# Altium PCB PCB1.PcbDoc (part 2 of 2)
Units mm, origin at the board's own origin, x right, y up, seen from the top; angles counter-clockwise.
Board outline 89.92 x 45.09 mm, 2 copper layers (Top Layer, Bottom Layer); 379 components, 267 nets, 1270 pads, 0 vias.
Unrouted connection lines stored in the file: 889.
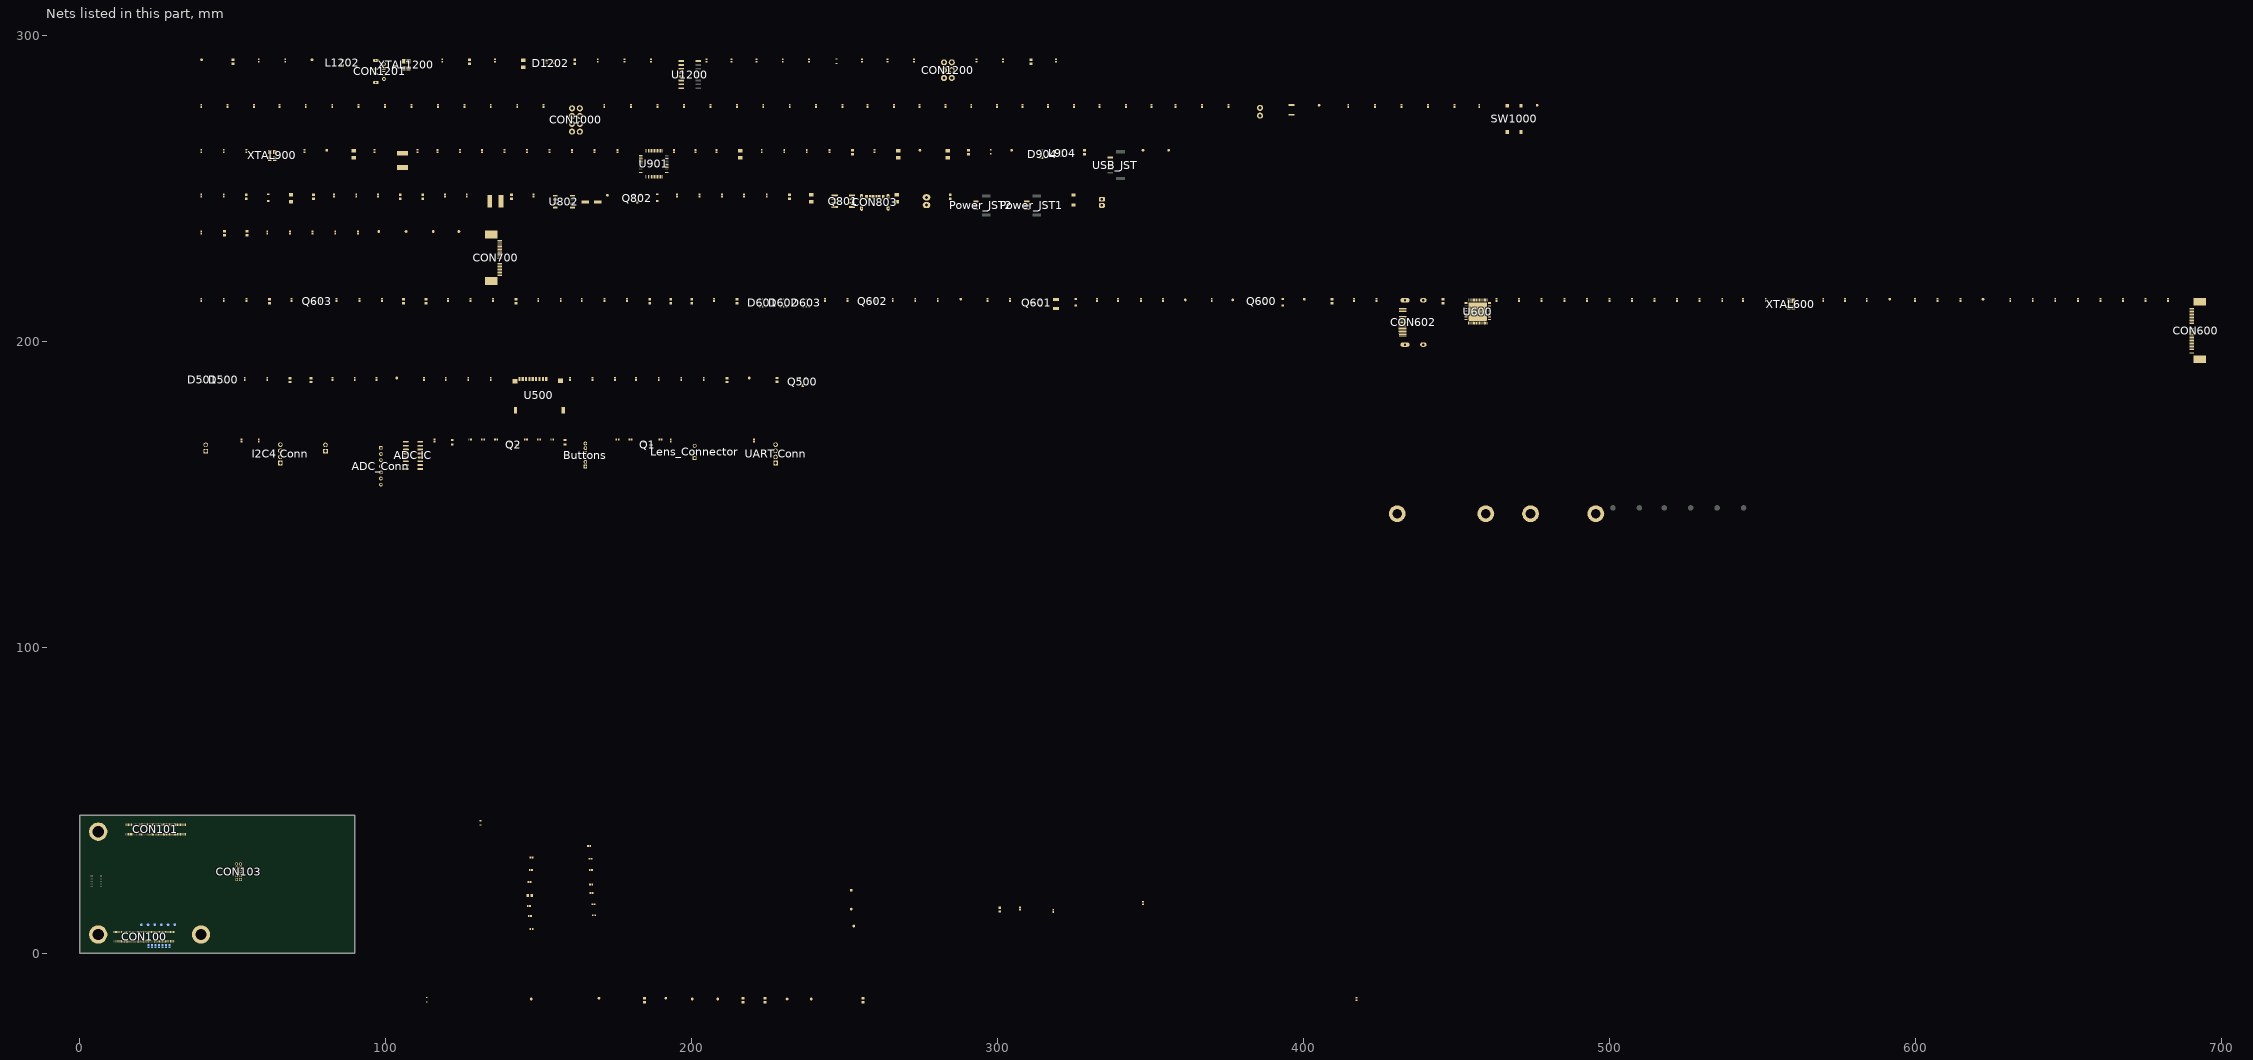
[diagram p2: the nets of this part, all layers, seen from the top]

## Footprints (in the part's own frame and the unit in brackets; to place one, negate y for a bottom-side part, rotate by r counter-clockwise, add the part's x,y. Pads: shape width x height; smd on the part's side, far side on the other; paste and mask are expansions set on the pad) (continued)
IC-NCP3170ADR2G [mm]
  rect 1.52x0.6 smd paste+0 mask+0.05: 1(-2.294,1.651) 2(-2.294,0.381) 3(-2.294,-0.889) 4(-2.294,-2.159) 5(3.31,-2.159) 6(3.31,-0.889) 7(3.31,0.381) 8(3.31,1.651)
  silkscreen extent -1.57,-2.83 2.59,2.32, body extent -2.46,-2.7 3.73,2.2, height 1.76
IND-NRS5030T2R2NMGJ [mil]
  rect 59x157 smd paste+0 mask+1.97: 1(-70.87,-5) 2(70.87,-5)
  silkscreen extent -63,-106 63,96, body extent -96,-101 96,91, height 157
J1-0603 [mm] "Chip Resistor, Body 1.6x0.8mm, IPC High Density"
  rect 0.7x0.9 smd: 1(-0.75,0) 2(0.75,0)
  silkscreen extent -0.2,-0.35 0.2,0.35, body extent -0.85,-0.48 0.85,0.48, height 0.9
JST-B2B-PH-K-S_V [mm] "Connector, 2-Leads, Body 5.9x4.5mm, Pitch 2mm"
  rect 1.5x1.5 hole 1: 1(-1,0.55)
  round 1.5 hole 1: 2(1,0.55)
  silkscreen extent -2.95,-2.25 2.95,2.25, body extent -2.95,-2.25 2.95,2.25, height 6
JST-B3B-PH-K-S-3_V [mm] "Connector, 3-Leads, Body 7.9x4.5mm, Pitch 2mm"
  rect 1.3x1.3 hole 0.8: 1(-2,0.55)
  round 1.3 hole 0.8: 2(0,0.55) 3(2,0.55)
  silkscreen extent -3.95,-2.25 3.95,3.4, body extent -3.95,-2.25 3.95,2.25, height 6
JST-B4B-PH-K-S_V [mm] "Connector, 4-Leads, Body 9.9x4.5mm, Pitch 2mm"
  rect 1.5x1.5 hole 1: 1(-3,0.55)
  round 1.5 hole 1: 2(-1,0.55) 3(1,0.55) 4(3,0.55)
  silkscreen extent -4.95,-2.25 4.95,2.25, body extent -4.95,-2.25 4.95,2.25, height 6
KLS1-238-0-0-0-R [mm] "MICRO USB TYPE B"
  rect 0.4x1.25 smd: 1(-1.15,0.025) 2(-1.8,0.025) 3(-2.45,0.025) 4(-3.1,0.025) 5(-3.75,0.025)
  round 1.25 hole 0.7: G1(0,0) G2(-4.9,0)
  rect 0.6x1.35 smd: G3(-1.65,2.675) G4(-3.25,2.675)
  oval 1.1x1.9 hole 0.5 slot 1.3 at 90 deg: G5(1.15,2.65) G6(-6.05,2.65)
  silkscreen extent -6.62,-0.93 1.72,4.4, body extent -6.8,-0.29 1.85,5.6, height 2.84
L-KLS1-TF-003-H1.85-R [mm]
  rect 1.6x1.4 smd mask+0.051: 0(-11.05,9.9) 0(3.8,10)
  rect 1x2.2 smd mask+0.051: 0(-10.8,0.4)
  round 0 hole 0.9: 0(-8,0) 0(0,0)
  rect 1.2x2.2 smd mask+0.051: 0(4.7,0.4)
  rect 0.7x1.4 smd mask+0.051: 1(-0.799,10.6) 2(-1.899,10.6) 3(-2.999,10.6) 4(-4.099,10.6) 5(-5.199,10.6) 6(-6.299,10.6) 7(-7.399,10.6) 8(-8.499,10.6) 9(-9.599,10.6)
  silkscreen extent -11.13,-4.6 5.03,9, body extent -11.05,-4.02 4.95,11.23, height 1.95
LQFP48 [mm]
  rect 0.3x1.2 smd mask+0.051: 1(-2.75,-4.25) 2(-2.25,-4.25) 3(-1.75,-4.25) 4(-1.25,-4.25) 5(-0.75,-4.25) 6(-0.25,-4.25) 7(0.25,-4.25) 8(0.75,-4.25) 9(1.25,-4.25) 10(1.75,-4.25) 11(2.25,-4.25) 12(2.75,-4.25) 25(2.75,4.25) 26(2.25,4.25) 27(1.75,4.25) 28(1.25,4.25) 29(0.75,4.25) 30(0.25,4.25) 31(-0.25,4.25) 32(-0.75,4.25) 33(-1.25,4.25) 34(-1.75,4.25) 35(-2.25,4.25) 36(-2.75,4.25)
  rect 1.2x0.3 smd mask+0.051: 13(4.25,-2.75) 14(4.25,-2.25) 15(4.25,-1.75) 16(4.25,-1.25) 17(4.25,-0.75) 18(4.25,-0.25) 19(4.25,0.25) 20(4.25,0.75) 21(4.25,1.25) 22(4.25,1.75) 23(4.25,2.25) 24(4.25,2.75) 37(-4.25,2.75) 38(-4.25,2.25) 39(-4.25,1.75) 40(-4.25,1.25) 41(-4.25,0.75) 42(-4.25,0.25) 43(-4.25,-0.25) 44(-4.25,-0.75) 45(-4.25,-1.25) 46(-4.25,-1.75) 47(-4.25,-2.25) 48(-4.25,-2.75)
  silkscreen extent -3.65,-4.36 3.65,3.65, body extent -4.5,-4.5 4.5,4.5
M3 [mm]
  round 5.5 hole 3.2 mask+0.051: 0(0,0)
  silkscreen extent -3,-3 3,3
SC-85-3/SOT-323FL [mm]
  rect 0.52x0.83 smd mask+0.051: 1(-0.66,-0.711) 2(0.635,-0.711) 3(0,0.762)
  silkscreen extent -1.07,-1.03 1.07,0.72, body extent -1.11,-1.1 1.09,1.15, height 1.1
"SO-8 - DUAL MOS - NAMED" [mil] "body:5.3 X 7.6 mm( W x L) pitch:1.27 mm"
  rect 80x24 smd: D1(110,25) D1(110,75) D2(110,-25) D2(110,-75) G1(-110,25) G2(-110,-75) S1(-110,75) S2(-110,-25)
  silkscreen extent -50,-100 50,100, body extent -118,-96 118,96, height 63
SOD523 [mm] "SOD-523F; 2 Leads; Body 1.3 x 0.9 mm, (LxW)"
  rect 0.4x0.6 smd mask+0.025: 1(0.7,0) 2(-0.7,0)
  silkscreen extent -0.82,-0.51 0.79,0.51, body extent -0.85,-0.45 0.85,0.45, height 0.7
"SOD523 - SZESD" [mm]
  rect 0.48x0.4 smd mask+0.051: 1(0.66,0) 2(-0.66,0)
  silkscreen extent -0.6,-0.4 0.6,0.4, body extent -0.85,-0.46 0.85,0.44, height 0.7
SOD-123 [mm]
  rect 0.91x1.22 smd mask+0.1: A(1.625,0) K(-1.625,0)
  silkscreen extent -1.42,-0.86 0.87,0.86, body extent -1.93,-0.84 1.92,0.86, height 1.42
SOD-323 [mm]
  rect 0.63x0.83 smd mask+0.051: A(1.115,0) K(-1.115,0)
  silkscreen extent -0.85,-0.63 0.85,0.63, body extent -1.3,-0.69 1.3,0.66, height 1.1
SOIC-SL16_L [mm] "SOIC, 16-Leads, Body 9.9x3.9mm, Pitch 1.27mm, IPC High Density"
  oval 1.9x0.6 smd: 1(-2.35,4.445) 2(-2.35,3.175) 3(-2.35,1.905) 4(-2.35,0.635) 5(-2.35,-0.635) 6(-2.35,-1.905) 7(-2.35,-3.175) 8(-2.35,-4.445) 9(2.35,-4.445) 10(2.35,-3.175) 11(2.35,-1.905) 12(2.35,-0.635) 13(2.35,0.635) 14(2.35,1.905) 15(2.35,3.175) 16(2.35,4.445)
  silkscreen extent -2.47,-5 1,5.42, body extent -2,-5 2,5, height 1.75
SOT23 [mm] "SOT-23; 3 Leads; Body 3.0 x 2.5 mm, inc. leads (LxW max)"
  rect 1x0.8 smd mask+0.051: 1(1.15,-0.95) 2(1.15,0.95) 3(-1.15,0)
  silkscreen extent -0.7,-1.5 0.4,1.5, body extent -1.23,-1.5 1.27,1.5, height 1.05
SOT-23B_N [mm] "SOT23, 3-Leads, Body 2.9x1.3mm, Pitch 0.95mm, Lead Span 2.4mm, IPC Medium Density"
  rect 1.15x0.6 smd: 1(-1.125,0.95) 2(-1.125,-0.95) 3(1.125,0)
  silkscreen extent -1.25,-1.5 0.7,1.92, body extent -0.7,-1.5 0.7,1.5, height 1.14
SOT-363 [mm]
  rect 0.4x0.8 smd mask+0.051: 1(-0.65,-0.837) 2(0,-0.837) 3(0.65,-0.837) 4(0.65,0.838) 5(0,0.838) 6(-0.65,0.838)
  silkscreen extent -1,-0.18 1,0.2, body extent -1,-1.05 1,1.05, height 1
testpoint_15 [mil]
  round 35 smd paste-39.37 mask+0: 1(0,0)
testpoint_35mil [mil]
  round 35 smd: 1(0,0)
  silkscreen extent -25,-25 25,25
UWR1A101MCL1GB [mm] "0.209\"\" L x 0.209\"\" W (5.30mm x 5.30mm) cap"
  rect 2.411x1.113 smd paste+0 mask+0: 1(-2.168,0) 2(1.914,0)
  silkscreen extent -4.21,-2.78 2.65,2.78, body extent -3.07,-2.65 2.82,2.65, height 5.57
XTLOSC4_3P2X2P5MM_SM [mm]
  rect 1.4x1.15 smd mask+0.051: 1(-1.1,-0.8) 2(1.1,-0.8) 3(1.1,0.8) 4(-1.1,0.8)
  silkscreen extent -2.59,-1.6 2.02,1.6, body extent -1.6,-1.25 1.6,1.25, height 0.6

## Part data
"ADC IC": library part CMP-0188-00427-2, "2.7V 4-Channel/8-Channel 12-Bit A/D Converters with SPI Serial Interface, 16-Pin SOIC 150mil, B Performance Grade, Industrial Temperature", Code_IPC=SOIC127P600-16, Code_JEDEC=MS-012-AC, ComponentLink1Description="Manufacturer URL", ComponentLink1URL=http://www.microchip.com/, ComponentLink2Description=Datasheet, ComponentLink2URL=http://ww1.microchip.com/downloads/en/DeviceDoc/21298e.pdf, ComponentLink3Description="Package Specification", ComponentLink3URL=http://www.microchip.com/stellent/groups/techpub_sg/documents/packagingspec/en012702.pdf, DatasheetVersion="revE, Sep-2008", PackageDescription="16-Lead Plastic Small Outline (SL) - Narrow, 3.90mm Body [SOIC]", PackageReference=SOIC-SL16, PackageVersion="revBB, Aug-2009", RevisionNote="URLs added."
ADC_Conn: library part CMP-17439-000222-1, "CONN HEADER R/A 7POS 2MM", Color=Natural, Contact Resistance=20mR, Current Rating=2A, Flammability Rating="UL94 V-0", Housing Color=White, Insulation Resistance=1GR, Max Operating Temperature=85°C, Max Voltage Rating (AC)=100V, Min Operating Temperature=-25°C, Connector Type=Header, Contact Finish - Mating=TIN, Contact Material=Brass, Contact Mating Length=0.13inch, Contact Plating=Tin, Contact Shape=Square, Contact Type="Male Pin", Depth=7.6mm, Fastening Type=Detent, Gender=Male, Height=9.4mm, Housing Material=Polyamide, Insulation Color=Natural, Insulation Material=Nylon, Lead Free="Lead Free", Lead Pitch=2mm, Length=15.9mm, Max Current Rating=2A, Mount="Through Hole", Number of Contacts=7, Number of Pins=7, Number of Poles=7, Number of Positions=7, Number of Rows=1, Orientation="Right Angle", Packaging=Bulk, Pitch=2mm, REACH SVHC="No SVHC", Series=PH, Termination=Solder, Voltage Rating=100V, Voltage Rating (AC)=100V, Width=4.5mm, Working Voltage=100V
Buttons: library part CMP-17439-000122-1, "CONN HEADER R/A 6POS 1.5MM", Color=White, Contact Resistance=30mR, Current Rating=1A, Flammability Rating="UL94 V-0", Housing Color=Beige, Insulation Color=Natural, Insulation Resistance=500MR, Max Operating Temperature=85°C, Max Voltage Rating (AC)=50V, Min Operating Temperature=-25°C, Body Plating=Tin, Connector Type=Header, Contact Finish - Mating=TIN, Contact Material=Brass, Contact Mating Length=0.094inch, Contact Plating=Tin, Contact Shape=Circular, Contact Type="Male Pin", Depth=6mm, Fastening Type=Detent, Gender=Male, Height=7.2mm, Housing Material=Polyamide, Insulation Material=Nylon, Lead Free="Lead Free", Lead Pitch=1.5mm, Length=10.5mm, Material=Nylon, Max Current Rating=1A, Mount="Through Hole", Number of Contacts=6, Number of Pins=6, Number of Positions=6, Number of Rows=1, Orientation="Right Angle", Packaging=Bulk, Panel Thickness=3.5mm, Pitch=1.5mm, REACH SVHC="No SVHC", Series=ZH, Termination=Solder, Voltage Rating=50V, Voltage Rating (AC)=50V, Voltage Rating (DC)=50V, Width=3.5mm
C100 C500 C502 C1204: library part CAP-CL10B105KA8NNNC, "CAP CER 1UF 25V X7R 0603", Manufacturer Part Number-1=CL10B105KA8NNNC, Manufacturer-1=SAMSUNG, Class=Capacitor, Created By=LA
C102 C104 C105 C801 C804 C806: library part CAP-C1608X5R1A226M080AC, "±20% 10V Ceramic Capacitor X5R 0603 (1608 Metric)", Manufacturer Part Number-1=C1608X5R1A226M080AC, Manufacturer-1="Murata Electronics", Class=Capacitor, Created By=E.E, Created Date=2.11.2020
C501 C621 C622 C624 C628 C636 C702: library part CAP-JMK107BC6106MA-T, "CAP CER 10UF 6.3V X6S 0603", Manufacturer Part Number-1=JMK107BC6106MA-T, Manufacturer-1="TAIYO YUDEN", Opt. Temp.=-55/+105, Class=Capacitor, Created By=LA, Created Date=23.11.2018, Price Break=4K, Unit Price=0,044
C506: library part CAP-C0402C220K5GACTU, "CAP CER 22PF 50V C0G/NPO 0402", Manufacturer Part Number-1=C0402C220K5GACTU, Manufacturer-1=KEMET, Opt. Temp.=-55/+125, Class=Capacitor, Created By=LA, Created Date=23.11.2018, Price Break=10K, Unit Price=0,00420
C600 C601 C602 C603 C604 C623 C625 C626 C627 C629 C631 C633 C637 C640 C700 C903 C905 C907 C908 C910 C911 C912 C914 C1200 C1201 C1205: library part CAP-CL05B104KO5NNNC, "CAP VER 0.1UF 16V X7R 0402", Manufacturer Part Number-1=CL05B104KO5NNNC, Manufacturer-1=SAMSUNG, Opt. Temp.=-55/+125, Class=Capacitor, Created By=LA, Created Date=23.11.2018, Price Break=10K, Unit Price=0,00499
C612 C613: library part CAP-CC0402JRNPO9BN180, "CAP CER 18PF 50V C0G/NPO 0402", Manufacturer Part Number-1=CC0402JRNPO9BN180, Manufacturer-1=YAGEO, Opt. Temp.=-55/+125, Class=Capacitor, Created By=LA, Created Date=23.11.2018, Price Break=10K, Unit Price=0,00590
C620: library part CAP-CC0603JRX7R9BB223, "CAP CER 0.022UF 50V X7R 0603", Manufacturer Part Number-1=CC0603JRX7R9BB223, Manufacturer-1=YAGEO, Opt. Temp.=-55/+125, Class=Capacitor, Created By=LA, Created Date=20.12.2019, Price Break=1K, Unit Price=0,01961
C802: library part CAP-UWR1A101MCL1GB, "CAP ALUM 100UF 20% 10V SMD", Manufacturer Part Number-1=UWR1A101MCL1GB, Manufacturer-1=Nichicon, Class=Capacitor, Created By=EE, Price Break=1000, Unit Price=0.05481
C805: library part CAP-CL05B682KB5NNNC, "6800pF ±10% 50V Ceramic Capacitor X7R 0402 (1005 Metric)", Manufacturer Part Number-1=CL05B682KB5NNNC, Manufacturer-1="Samsung Electro-Mechanics", Class=Capacitor, Created By=E.E, Created Date=15.11.2020
C901 C904 C906 C913: library part CAP-CL21A106KOQNNNG, "CAP CER 10UF 16V X5R 0805", Manufacturer Part Number-1=CL21A106KOQNNNG, Manufacturer-1=SAMSUNG, Class=Capacitor, Created By=EE, Price Break=3000, Unit Price=0.01876
C909 C915: library part CAP-CC0402JRNPO9BN101, "CAP CER 100PF 50V C0G/NPO 0402", Manufacturer Part Number-1=CC0402JRNPO9BN101, Manufacturer-1=Yageo, Class=Capacitor
C923 C924 C1202 C1203: library part CAP-GCM1555C1H180JA16D, "CAP CER 18PF 50V C0G/NP0 0402", Manufacturer Part Number-1=GCM1555C1H180JA16D, Manufacturer-1="Murata Electronics", Class=Capacitor
"CH0 Conn" "CH1 Conn": library part CMP-2000-05162-1, "Male Header, Pitch 2 mm, 1 x 2 Position, Height 6 mm, Tail Length 3.4 mm, -25 to 85 degC, RoHS, Bulk", Manufacturer=JST, Datasheet URL=http://datasheet.octopart.com/B2B-PH-K-S%28LF%29%28SN%29-JST-datasheet-8324864.pdf, Datasheet Version=Nov-08, Manufacturer URL=http://www.jst.com/home2.html, No of Positions=2, Pitch=2mm, Style/Orientation=StraightHeader/Plug, Termination=Crimp, Type=ShroudedHeader
CON100 CON101: library part CON-DF40C-100DS-0.4V(51), "CONN HDR 100POS 0.4MM SMD GOLD", Manufacturer Part Number-1=DF40C-100DS-0.4V(51), Manufacturer-1=HIROSE, Class=Connector, Created By=EE, Created Date=18.11.2020, Price Break=5K, Unit Price=0.85
CON102: library part CON-DF40C-20DS-0.4V(51), "CONN RCPT 20POS SMD GOLD", Manufacturer Part Number-1=DF40C-20DS-0.4V(51), Manufacturer-1="Hirose Electric Co Ltd", Class=Connector, Created By=E.E, Created Date=8.10.2020, Price Break=5000, Unit Price=0.27550
CON103: library part "CON-10 PIN 2.54MM TH", "10 PIN 1.27 SMD", ASSY_OPT=DNP, Class=Connector
CON104 CON106 CON107: library part CON-9774030151R, "RND STANDOFF M2X0.4 STEEL 2.5MM", Manufacturer Part Number-1=9774030151R, Manufacturer-1="Würth Elektronik", Class=Connector, Price Break=700, Unit Price=0.7
CON600: library part CON-SFV30R-2STBE1HLF, "30 Position FFC, FPC Connector Contacts, Top 0.020\" (0.50mm) Surface Mount, Right Angle", Manufacturer Part Number-1=SFV30R-2STBE1HLF, Manufacturer-1="Amphenol ICC (FCI)", Class=Connector, Created By=EE, Created Date=12.11.2020, Price Break=3000, Unit Price=0.28455
CON602: library part CON-L-KLS1-285-1-N-1, "CONNECTOR SOCKET HDMI SMD 1.4 19PIN / R/A", Manufacturer Part Number-1=L-KLS1-285-1-N-1-R, Manufacturer-1="KLS Electronic(özdisan)", Class=Connector, Created By=E.E, Created Date=20.10.2020, Price Break=5000, Unit Price=0.195
CON700: library part CON-SFV24R-4STBE1HLF(GENIS), "CONN FPC TOP 24POS 0.50MM R/A", Manufacturer Part Number-1=SFV24R-4STBE1HLF, Manufacturer-1=AMPHENOL, Opt. Temp.=-55/+105, Class=Connector, Created By=LA, Created Date=06.05.2019, Price Break=3K, Unit Price=0,19575
CON801: "CONN HEADER VERT 2POS 2MM", Manufacturer Part Number-1=B2B-PH-K-S(LF)(SN), Manufacturer-1=JST, ASSY_OPT=DNP, Class=Connector, Created By=LA, Created Date=16.05.2019, Price Break=1K, Unit Price=0,072
CON802: library part CON-640456-2, "CONN HEADER VERT 2POS 2.54MM", Manufacturer Part Number-1=640456-2, Manufacturer-1=TE, Class=Connector, Created By=LA, Created Date=16.05.2019, Price Break=1K, Unit Price=0,048
CON803: library part 0-CON-UJC-HP-3-SMT-TR, "USB JACK, C TYPE, POWER ONLY, 6", Manufacturer Part Number-1=UJC-HP-3-SMT-TR, Manufacturer-1="CUI Devices", Opt. Temp.="-40°C ~ 80°C", Class=Connector, Created By=E.E, Created Date=30.10.2020, Unit Price=0.360
CON1000: library part "CON-8 PIN 2.54MM", "8 PIN 2.54MM HEADER", Class=Connector
CON1001: library part "CON-2 PIN 2.54", "2 PIN 2.54 HEADER", Class=Connector
CON1200: library part "CON-6 PIN 2.54MM", "2x3 6 PIN 2.54MM HEADER", Class=Connector
CON1201: Manufacturer Part Number-1=KLS1-238-0-0-0-R, Manufacturer-1=KLS, Class=Connector, Created By=OKS,EE, Price Break=1000,5000, Unit Price=0.085,0.078
D100 D802 D1200 D1201: library part LED-LTST-C190KRKT, "LED SMD 0603 SUPER GREEN", Manufacturer Part Number-1=LTST-C190KRKT, Manufacturer-1=LITEON, Class=Led, Price Break=4000, Unit Price=0.03343
D101 D102 D1203: "DIODE SCHOTTKY 30V 200MA SOD523", Manufacturer Part Number-1=RB520S30T1G, Manufacturer-1="ON SEMI", Opt. Temp.=-55/+150, Class=Diode, Created By=LA, Created Date=23.11.2018, Price Break=3K, Unit Price=0,0324
  D101 D102: ASSY_OPT=DNP
D500 D501: "TVS DIODE 5V 4CH SOT-553", Manufacturer Part Number-1=DF5A6.2LJE,LM, Manufacturer-1=TOSHIBA, Class=Diode, Created By=OKS, Created Date=29.03.2019
D600 D604: library part DIODE-NSR0320MW2T1G, "Diode Schottky 1A (DC) Surface Mount SOD-323", Manufacturer Part Number-1=NSR0320MW2T1G, Manufacturer-1="ON Semiconductor", Opt. Temp.="-55°C ~ 125°C", Class=Diode, Created By=E.E, Created Date=21.10.2020
D601 D602 D603 D904 D1202: library part DIODE-DT1042-04SOQ-7, "HDMI TVS DIODE", Manufacturer-1="Diodes Incorporated", Opt. Temp.="-55°C ~ 85°C (TA)", Class=Diode, Created By=E.E, Created Date=23.10.2020, Manufacturer Part Number-1=DT1042-04SOQ-7, Price Break=3000, Unit Price=0.07575
D800: library part DIODE-PZU5.1B2A,115, "DIODE ZENER 5.1V 320MW SOD323", Manufacturer Part Number-1=PZU5.1B2A,115, Manufacturer-1="Nexperia USA Inc.", Class=Diode, Created By=EE
D801: library part DIODE-PDZ15B,115, "DIODE ZENER 15V 400MW SOD323", Manufacturer Part Number-1=PDZ15B,115, Manufacturer-1="Nexperia USA Inc.", Class=Diode, Created By=LA
D804: library part DIODE-MMSZ5231BT1G, "DIODE ZENER 5.1V 500MW SOD123", Manufacturer-1="ON Semiconductor", ASSY_OPT=DNP, Class=Diode, Created By=EE, Manufacturer Part Number-1=MMSZ5231BT1G
D901: library part DIODE-ESD5B5.0ST1G, "VS DIODE 5V SOD523", Manufacturer-1="ON Semiconductor", Opt. Temp.=-55/+150, Class=Diode, Created By=E.E, Created Date=3.11.2020, Features=AUTOMOTIVE, Manufacturer Part Number-1=ESD5B5.0ST1G, Price Break=3000, Unit Price=0,0129
F901: library part FUSE-KMC5S110RY33, "THERMISTOR PTC RESETTABLE FUSE 1206 1100mA 33V 1812", Manufacturer Part Number-1=KMC5S110RY33, Manufacturer-1=THINKING, Class=FUSE, Created By=EE, Price Break=4000, Unit Price=0.083
FD100 FD101 FD102 FD103 FD104 FD105: Manufacturer Part Number-1="\"", Class="\"", Created By="\"", Created Date="\"", Manufacturer-1="\"", Opt. Temp.="\"", Price Break="\"", Unit Price="\""
"I2C4 Conn" "UART Conn": library part CMP-2000-05165-1, "Male Header, Pitch 2 mm, 1 x 4 Position, Height 6 mm, Tail Length 3.4 mm, -25 to 85 degC, RoHS, Bulk", Manufacturer=JST, Datasheet URL=http://datasheet.octopart.com/B4B-PH-K-S%28LF%29%28SN%29-JST-datasheet-10558886.pdf, Datasheet Version=Apr-09, Manufacturer URL=http://www.jst.com/home2.html, No of Positions=4, Pitch=2mm, Style/Orientation=StraightHeader/Plug, Termination=Crimp, Type=ShroudedHeader
L104 L105 L106 L107 L1200 L1204 L1205 L1206: library part "IND-FERRITE (RES 0 OHM) 0402", "0OHM 0402", Manufacturer Part Number-1=RMCF0402ZT0R00, Manufacturer-1="Stackpole Electronics Inc", Class=Inductor, Created By=EE, Price Break=1000, Unit Price=0.00186
  L1204 L1205 L1206: ASSY_OPT=DNP
L500 L607 L701 L805 L902 L909: library part "IND-FERRITE (RES 0 OHM) 0603", "0OHM 0603", Manufacturer Part Number-1=RC0603JR-070RL, Manufacturer-1=YAGEO, Class=Inductor, Created By=EE
L600 L601 L606: library part IND-MPZ1608S221ATA00, "Power Line Ferrite Bead 0603 (1608 Metric) 2.2A 50mOhmFERRITE BEAD 220 OHM 0603 1LN", Manufacturer Part Number-1="TDK Corporation", Opt. Temp.="-55 TO 125", Class=Inductor, Created By=E.E, Created Date=28.10.2020, Manufacturer-1="TDK Corporation", Price Break=4000, Unit Price=0.02080
L803 L806 L1201: library part "IND-FERRITE (RES 0 OHM) 0805", "0OHM 0805", Manufacturer Part Number-1=AC0805JR-070RL, Manufacturer-1=YAGEO, Class=Inductor, Created By=EE
  L803: ASSY_OPT=DNP
L804: library part IND-NRS5030T2R2NMGJ, "Shielded Wirewound Inductor 23mOhm Nonstandard", Manufacturer Part Number-1=NRS5030T2R2NMGJ, Manufacturer-1="Taiyo Yuden", Class=Inductor, Created By=E.E, Created Date=3.11.2020
L904 L1202: library part IND-DLW21HN900SQ2L, "Common Mode Chokes Dual 90Ohm 100MHz 0.33A 0.35Ohm DCR SMD T/R", Manufacturer Part Number-1=DLW21HN900SQ2L, Manufacturer-1="Murata Manufacturing", Class=Inductor, Created By=E.E, Created Date=2.11.2020, Price Break=3000, Unit Price=0.185
L907 L1203: library part IND-BLM18PG121SH1D, "Ferrite Beads Multi-Layer 120Ohm 25% 100MHz 2A 0.05Ohm DCR 0603 Automotive T/R", Manufacturer Part Number-1=BLM18PG121SH1D, Manufacturer-1="Murata Manufacturing", Class=Inductor, Created By=E.E, Created Date=2.11.2020, Price Break=4000, Unit Price=0.02550
Lens_Connector: library part CMP-2000-05164-1, "Male Header, Pitch 2 mm, 1 x 3 Position, Height 6 mm, Tail Length 3.4 mm, -25 to 85 degC, RoHS, Bulk", Manufacturer=JST, Datasheet URL=https://datasheet.ciiva.com/11746/0900766b80826550-11746939.pdf, Datasheet Version=Oct-06, Manufacturer URL=http://www.jst.com/home2.html, No of Positions=3, Pitch=2mm, Style/Orientation=StraightHeader/Plug, Termination=Crimp, Type=ShroudedHeader